# Altium PCB Apalis-Smart-Vision-Baseboard.PcbDoc (part 6 of 6)
Units mm, origin at the board's own origin, x right, y up, seen from the top; angles counter-clockwise.
Board outline 100 x 70 mm, 4 copper layers (Top Layer, Power Plane, Ground Plane, Bottom Layer), stack 1.52 mm thick; 202 components, 197 nets, 1190 pads, 441 vias.
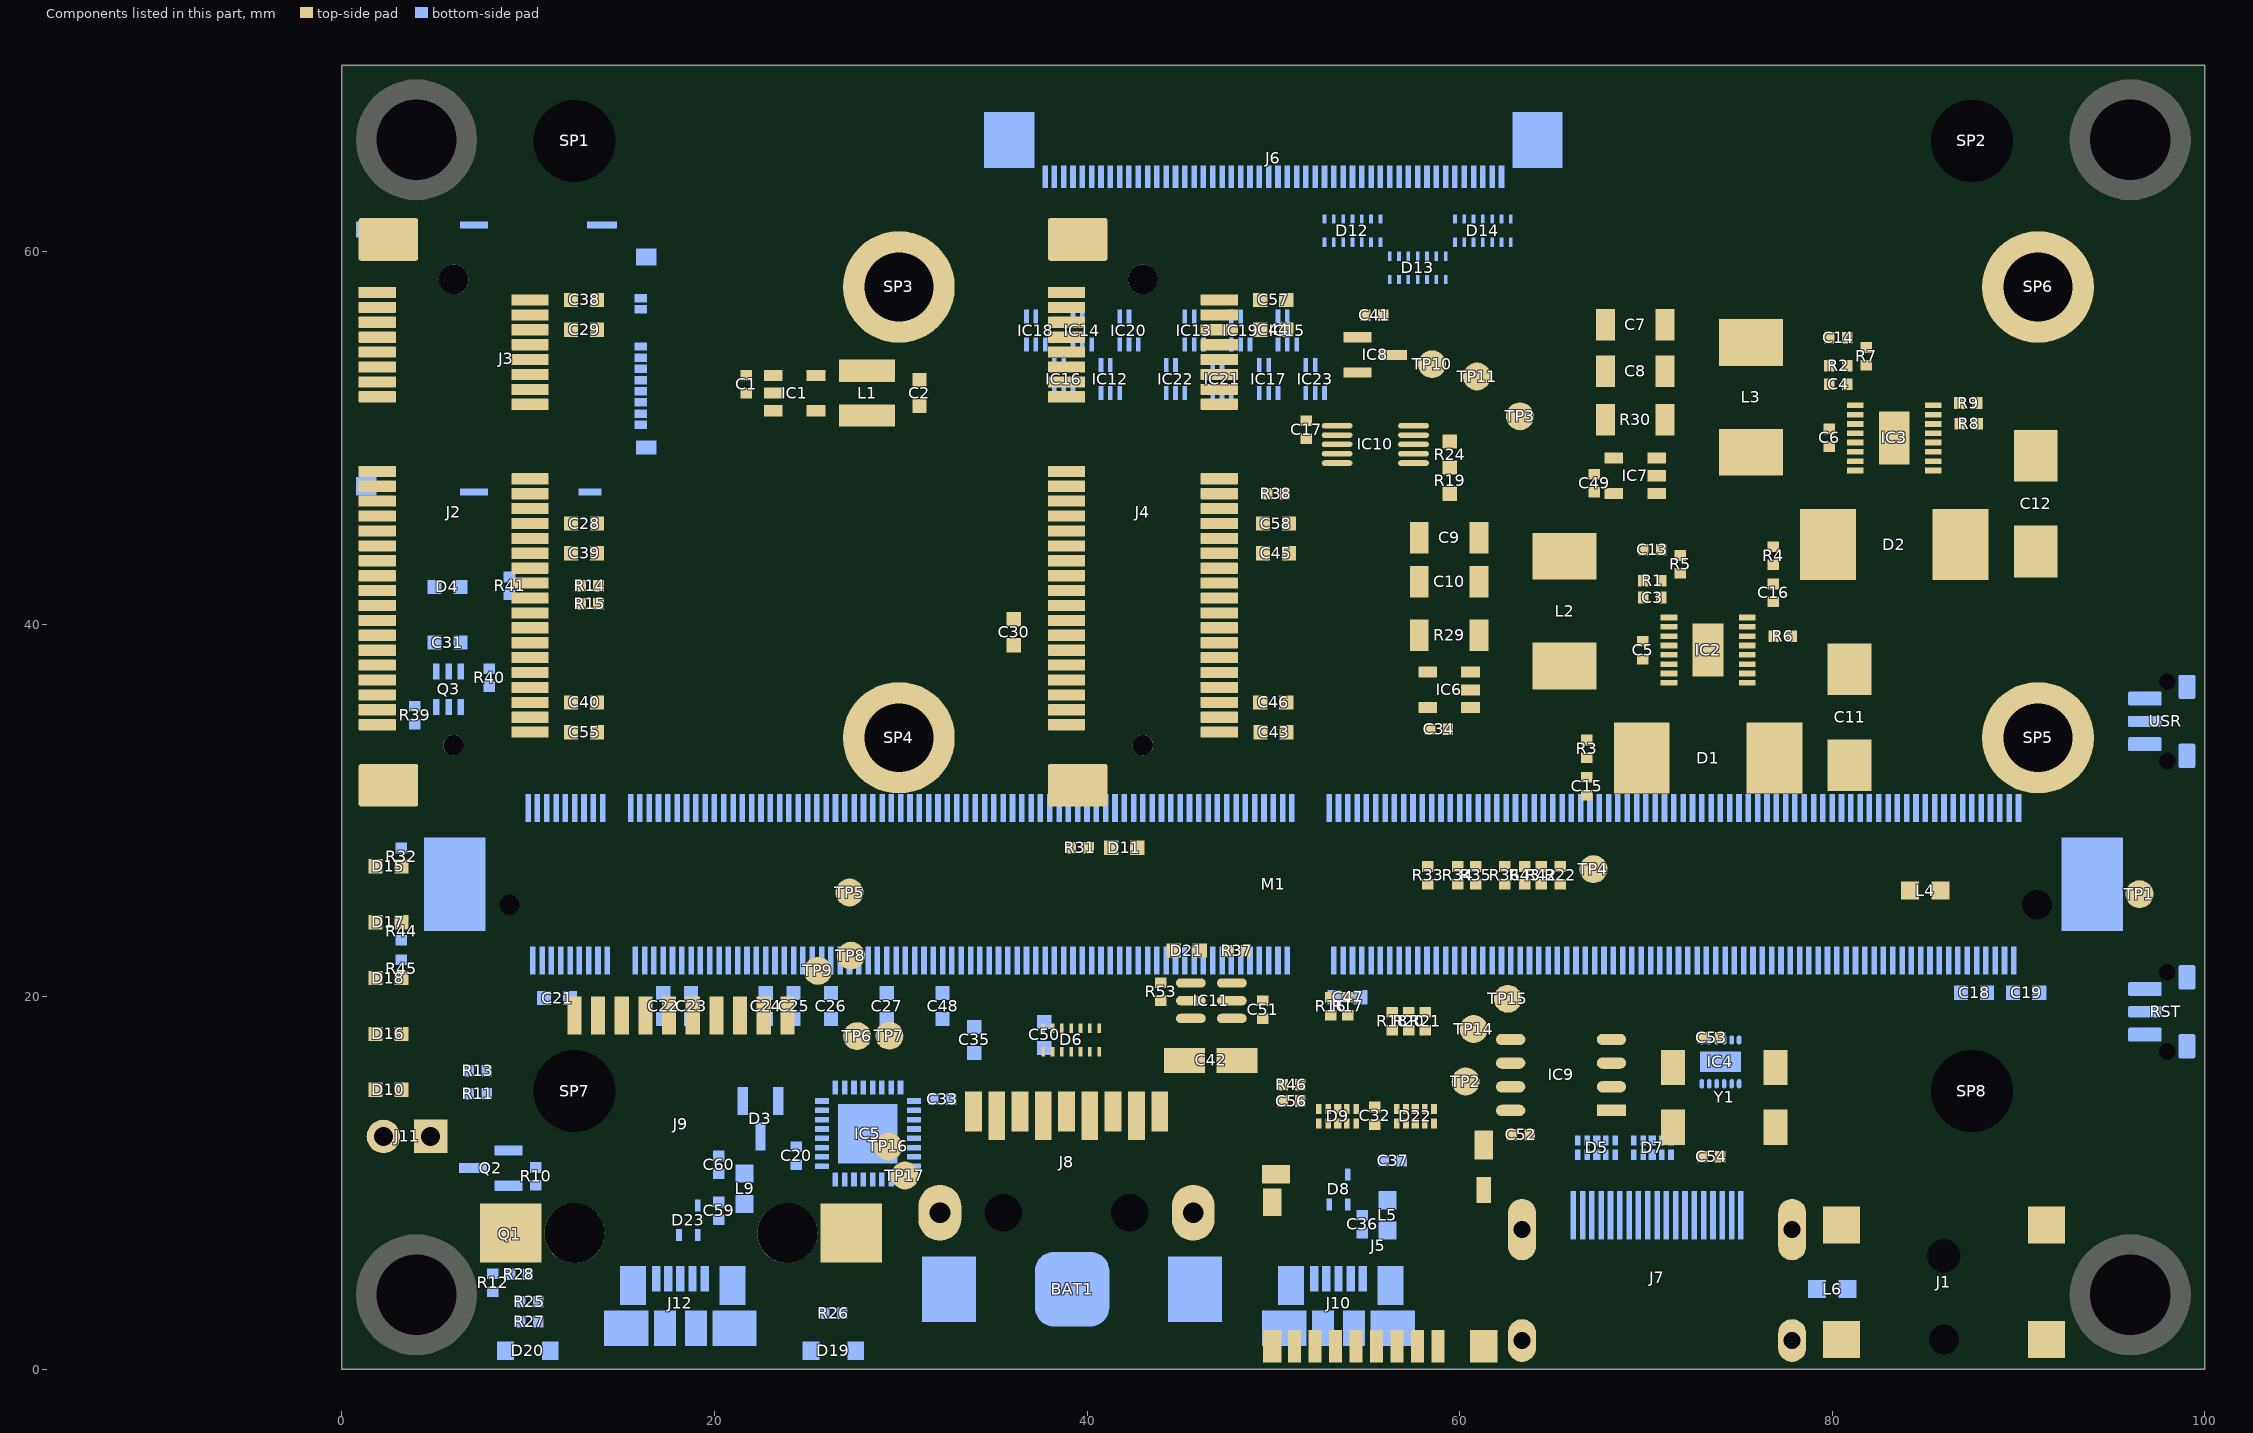
[diagram p8: the components of this part, seen from the top]

## Polygon pours and split planes (outlines as drawn) (continued)
no net on Top Solder "AntmicroLogo" (solid, pour order 56): 205 vertices, not listed, extent 50.65,62.412 62.318,65.493
no net on Top Solder "AntmicroLogo" (solid, pour order 55): 319 vertices, not listed, extent 58.369,60.823 64.153,67.449
no net on Top Solder "AntmicroLogoA" (solid, pour order 59): 34 vertices, not listed, extent 64.878,62.92 66.523,65.314
no net on Top Solder "AntmicroLogoC" (solid, pour order 62): 39 vertices, not listed, extent 74.559,62.92 75.973,65.314
no net on Top Solder "AntmicroLogoI" (solid, pour order 61): 73.832,62.963 74.209,62.963 74.209,65.272 73.832,65.272
no net on Top Solder "AntmicroLogoM" (solid, pour order 60): 113 vertices, not listed, extent 61.063,62.192 73.325,65.318
no net on Top Solder "AntmicroLogoN" (solid, pour order 58): 19 vertices, not listed, extent 67.03,62.963 68.709,65.314
no net on Top Solder "AntmicroLogoO" (solid, pour order 64): 33 vertices, not listed, extent 77.38,62.92 79.204,65.314
no net on Top Solder "AntmicroLogoR" (solid, pour order 63): 76.336,62.963 76.336,65.152 76.681,65.27 77.124,65.314 77.249,65.31 77.326,65.302 77.24,65.019 77.129,65.048 77.005,65.058 76.851,65.044 76.713,64.997 76.713,62.963
no net on Bottom Layer "AntmicroLogoN" (solid, pour order 73): 19 vertices, not listed, extent 95.133,48.987 97.483,50.666
no net on Bottom Layer "AntmicroLogoI" (solid, pour order 79): 95.133,55.789 95.133,56.166 97.441,56.166 97.441,55.789
no net on Bottom Layer "AntmicroLogo" (solid, pour order 69): 205 vertices, not listed, extent -100.48,42.161 97.662,62.792
no net on Bottom Layer "AntmicroLogoA" (solid, pour order 71): 34 vertices, not listed, extent 95.089,46.836 97.483,48.481
no net on Bottom Layer "AntmicroLogoT" (solid, pour order 75): 24 vertices, not listed, extent 95.111,50.919 98.088,51.964
no net on Bottom Layer "AntmicroLogoM" (solid, pour order 77): 113 vertices, not listed, extent -110.516,52.311 97.487,62.196
no net on Bottom Layer "AntmicroLogoC" (solid, pour order 81): 39 vertices, not listed, extent 95.089,56.517 97.483,57.93
no net on Bottom Layer "AntmicroLogoR" (solid, pour order 83): 95.133,58.294 97.321,58.294 97.439,58.638 97.483,59.082 97.479,59.207 97.471,59.283 97.188,59.197 97.217,59.086 97.227,58.962 97.213,58.808 97.167,58.671 95.133,58.671
no net on Bottom Layer "AntmicroLogoO" (solid, pour order 85): 33 vertices, not listed, extent 95.089,59.337 97.483,61.162
no net on Bottom Layer "AntmicroLogo" (solid, pour order 67): 319 vertices, not listed, extent 92.992,40.326 99.618,46.11
no net on Bottom Solder "AntmicroLogoN" (solid, pour order 58): 19 vertices, not listed, extent 95.133,48.987 97.483,50.666
no net on Bottom Solder "AntmicroLogoI" (solid, pour order 61): 95.133,55.789 95.133,56.166 97.441,56.166 97.441,55.789
no net on Bottom Solder "AntmicroLogo" (solid, pour order 56): 205 vertices, not listed, extent -100.48,42.161 97.662,62.792
no net on Bottom Solder "AntmicroLogoA" (solid, pour order 59): 34 vertices, not listed, extent 95.089,46.836 97.483,48.481
no net on Bottom Solder "AntmicroLogoT" (solid, pour order 59): 24 vertices, not listed, extent 95.111,50.919 98.088,51.964
no net on Bottom Solder "AntmicroLogoM" (solid, pour order 60): 113 vertices, not listed, extent -110.516,52.311 97.487,62.196
no net on Bottom Solder "AntmicroLogoC" (solid, pour order 62): 39 vertices, not listed, extent 95.089,56.517 97.483,57.93
no net on Bottom Solder "AntmicroLogoR" (solid, pour order 63): 95.133,58.294 97.321,58.294 97.439,58.638 97.483,59.082 97.479,59.207 97.471,59.283 97.188,59.197 97.217,59.086 97.227,58.962 97.213,58.808 97.167,58.671 95.133,58.671
no net on Bottom Solder "AntmicroLogoO" (solid, pour order 64): 33 vertices, not listed, extent 95.089,59.337 97.483,61.162
no net on Bottom Solder "AntmicroLogo" (solid, pour order 55): 319 vertices, not listed, extent 92.992,40.326 99.618,46.11
+1V5 on Power Plane (split plane): 46 vertices, not listed, extent 11.402,34.472 53.298,57.038
FTDI_3V3 on Power Plane (split plane): 33.778,8.172 24.102,8.172 24.102,15.578 33.778,15.578
+5V0 on Power Plane (split plane): 86 vertices, not listed, extent 7.012,9.492 75.988,63.873
+3V3 on Power Plane (split plane): 99.49,0.51 0.51,0.51 0.51,69.49 99.49,69.49
AGND on Ground Plane (split plane): 91.748,18.652 85.252,18.652 85.252,29.448 91.748,29.448
SHIELD on Ground Plane (split plane): 79.849,0.51 62.151,0.51 62.151,9.849 79.849,9.849
GND on Ground Plane (split plane): 21 vertices, not listed, extent 0.51,0.51 99.49,69.49

## Keep-outs
Keep-Out Layer:
  the board outline again, w0.125

## Other copper
Top Layer:
  rectangle net GND: 82.432,46.268 84.232,53.568
  rectangle net GND: 72.435,34.873 74.235,42.173
  rectangle net +3V3: 55.075,38.55 58.325,40.25
  rectangle net +5V0: 65.072,50.118 68.322,51.818
  pour cut-out: 65.274,63.419 65.238,63.627 65.302,63.889 65.485,64.073 65.778,64.194 66.172,64.265 66.172,63.216 66.095,63.184 66.002,63.16 65.899,63.144 65.791,63.139 65.552,63.171 65.379,63.265
  pour cut-out: 77.82,63.6 77.783,63.762 77.763,63.939 77.756,64.128 77.763,64.316 77.783,64.493 77.82,64.653 77.873,64.794 77.946,64.911 78.038,64.999 78.153,65.055 78.292,65.075 78.43,65.055 78.545,64.999 78.638,64.911 78.711,64.794 78.764,64.653 78.8,64.493 78.821,64.316 78.827,64.128 78.821,63.939 78.8,63.762 78.764,63.6 78.711,63.458 78.638,63.34 78.545,63.25 78.43,63.193 78.292,63.173 78.153,63.193 78.038,63.25 77.946,63.34 77.873,63.458
  pour cut-out: 62.127,64.044 cw(c62.127,64.136) 62.036,64.136 cw(c62.127,64.136) 62.127,64.228 cw(c62.127,64.136) 62.219,64.136 cw(c62.127,64.136) 62.127,64.044 cw(c52.46,63.368)
  pour cut-out: 62.013,64.811 cw(c62.013,64.903) 61.922,64.903 cw(c62.013,64.903) 62.013,64.994 cw(c62.013,64.903) 62.105,64.903 cw(c62.013,64.903) 62.013,64.811 cw(c52.346,64.135)
  pour cut-out: 61.261,65.047 cw(c61.261,65.226) 61.081,65.226 cw(c61.261,65.226) 61.261,65.405 cw(c61.261,65.226) 61.44,65.226 cw(c61.261,65.226) 61.261,65.047 cw(c51.593,64.459)
  pour cut-out: 60.508,64.811 cw(c60.508,64.903) 60.417,64.903 cw(c60.508,64.903) 60.508,64.994 cw(c60.508,64.903) 60.6,64.903 cw(c60.508,64.903) 60.508,64.811 cw(c50.841,64.135)
  pour cut-out: 60.394,64.044 cw(c60.394,64.136) 60.302,64.136 cw(c60.394,64.136) 60.394,64.228 cw(c60.394,64.136) 60.486,64.136 cw(c60.394,64.136) 60.394,64.044 cw(c50.726,63.368)
  pour cut-out: 60.508,63.278 cw(c60.508,63.369) 60.417,63.369 cw(c60.508,63.369) 60.508,63.461 cw(c60.508,63.369) 60.6,63.369 cw(c60.508,63.369) 60.508,63.278 cw(c50.841,62.602)
  pour cut-out: 61.261,62.866 cw(c61.261,63.046) 61.081,63.046 cw(c61.261,63.046) 61.261,63.225 cw(c61.261,63.046) 61.44,63.046 cw(c61.261,63.046) 61.261,62.866 cw(c51.593,62.278)
  pour cut-out: 61.922,63.369 ccw(c62.013,63.369) 62.013,63.278 ccw(c62.013,63.369) 62.105,63.369 ccw(c62.013,63.369) 62.013,63.461 ccw(c62.013,63.369) 61.922,63.369 cw(c52.346,62.602)
  text "Apalis Smart Vision Baseboard" at 64.626,60.593 h2.03
  text "Rev.1.2.1    10/2020" at 64.626,58.593 h2.03
Bottom Layer:
  pour cut-out: 95.588,47.231 95.796,47.196 96.058,47.259 96.242,47.442 96.363,47.736 96.434,48.129 95.385,48.129 95.353,48.052 95.329,47.959 95.314,47.856 95.308,47.748 95.34,47.51 95.435,47.337
  pour cut-out: 95.769,59.777 95.931,59.741 96.109,59.72 96.297,59.714 96.485,59.72 96.662,59.741 96.823,59.777 96.963,59.83 97.08,59.903 97.168,59.996 97.224,60.111 97.244,60.249 97.224,60.388 97.168,60.503 97.08,60.596 96.963,60.668 96.823,60.721 96.662,60.757 96.485,60.778 96.297,60.785 96.109,60.778 95.931,60.757 95.769,60.721 95.627,60.668 95.509,60.596 95.419,60.503 95.362,60.388 95.342,60.249 95.362,60.111 95.419,59.996 95.509,59.903 95.627,59.83
  pour cut-out: 96.214,42.351 ccw(c96.305,42.351) 96.305,42.26 ccw(c96.305,42.351) 96.397,42.351 ccw(c96.305,42.351) 96.305,42.443 ccw(c96.305,42.351) 96.214,42.351 cw(c-100.176,63.368)
  pour cut-out: 96.98,42.465 ccw(c97.072,42.465) 97.072,42.374 ccw(c97.072,42.465) 97.163,42.465 ccw(c97.072,42.465) 97.072,42.557 ccw(c97.072,42.465) 96.98,42.465 cw(c-100.291,64.135)
  pour cut-out: 95.036,43.218 ccw(c95.215,43.218) 95.215,43.039 ccw(c95.215,43.218) 95.394,43.218 ccw(c95.215,43.218) 95.215,43.397 ccw(c95.215,43.218) 95.036,43.218 cw(c-101.043,62.278)
  pour cut-out: 96.98,43.971 ccw(c97.072,43.971) 97.072,43.879 ccw(c97.072,43.971) 97.163,43.971 ccw(c97.072,43.971) 97.072,44.062 ccw(c97.072,43.971) 96.98,43.971 cw(c-101.796,64.135)
  pour cut-out: 96.214,44.085 ccw(c96.305,44.085) 96.305,43.993 ccw(c96.305,44.085) 96.397,44.085 ccw(c96.305,44.085) 96.305,44.176 ccw(c96.305,44.085) 96.214,44.085 cw(c-101.91,63.368)
  pour cut-out: 95.447,42.465 ccw(c95.539,42.465) 95.539,42.374 ccw(c95.539,42.465) 95.63,42.465 ccw(c95.539,42.465) 95.539,42.557 ccw(c95.539,42.465) 95.447,42.465 cw(c-100.291,62.602)
  pour cut-out: 95.539,43.879 cw(c95.539,43.971) 95.447,43.971 cw(c95.539,43.971) 95.539,44.062 cw(c95.539,43.971) 95.63,43.971 cw(c95.539,43.971) 95.539,43.879 cw(c-101.796,62.602)
  pour cut-out: 97.216,43.218 ccw(c97.395,43.218) 97.395,43.039 ccw(c97.395,43.218) 97.575,43.218 ccw(c97.395,43.218) 97.395,43.397 ccw(c97.395,43.218) 97.216,43.218 cw(c-101.043,64.459)
Ground Plane (plane layer: these items are gaps in the copper):
  lines w0.3: -13.667,30.625 -13.667,30.681 ; 62,0 62,10 80,10 80,0
  lines w0.5: 85,18.4 85,29.7 92,29.7 92,18.4 85,18.4
Power Plane (plane layer: these items are gaps in the copper):
  lines w0.2: 13.9,9.39 14.71,9.39 15.09,9.77 ; 14.4,9.39 6.91,9.39 6.91,11.02 14.63,11.02 21.08,17.47 21.08,17.48 36.61,17.48 39.44,20.31 47.29,20.31 48.43,21.45 68.37,21.45 68.37,25.73 68.37,33.58 57.24,33.58 57.24,35.675 67.375,35.675 68.2,36.5 68.2,44.2 61.2,51.2 61.2,63.975 64.7,63.975 64.7,54.62 71.98,47.34 71.98,37.966 71.98,26.879 71.98,26.184 76.09,22.074 76.09,18.75 75.34,18 71.96,18 ; 14.72,9.41 18.13,12.82 18.56,13.25 23.98,13.25 ; 33.88,15.68 33.88,8.07 24,8.07 24,15.68 38.22,15.68 40.85,18.31 51.87,18.31 52.54,18.98 55.32,18.98 56,18.3 71.66,18.3 71.96,18 ; 71.65,18.31 71.96,18 ; 11.3,47.085 11.3,55.8 11.3,56.08 17.72,56.08 20.4,53.4 28.85,53.4 32.59,57.14 53.4,57.14 53.4,54.141 48.96,54.141 48.96,43.32 52.1,43.32 52.1,35.4 41.45,35.4 38.61,38.24 29.1,38.24 25.23,34.37 11.5,34.37 11.5,44.5 12.9,44.5 12.9,47.085 11.3,47.085

## Silkscreen, mask and mechanical layers (free items; w line width, h text height)
Top Overlay:
  circle w0.254: c94.498,13.22 r0.284
  circle w0.254: c94.498,13.22 r1.171
  lines w0.2: 6.01,16.83 7.67,16.83 7.79,16.83 7.79,25.31 6.01,25.31 7.65,25.31 ; 10.26,0.5 10.26,5.4 ; 26.14,0.5 26.14,5.4 ; 32.35,0.5 32.35,6.4 ; 45.449,0.5 45.449,6.4 ; 69.45,40.8 71.4,40.8 ; 71.4,42.125 71.4,40.8 ; 73.49,45.79 73,45.79 73,42.9 ; 73.6,42.9 73,42.9 ; 79.2,47.98 79.83,47.98 79.83,48.66 ; 79.425,52.275 81.375,52.275 81.375,53.3 ; 81.475,52.375 81.675,52.575 82.975,53.875 82.975,54.375 ; 83.53,57.19 82.975,57.19 82.975,54.375 ; 83.575,54.375 82.975,54.375 ; 71.4,40.8 71.5,40.9 71.7,41.1 73,42.4 73,42.9
  lines w0.254: 92.085,13.22 94.117,13.22
  text "SATA" at 14.884,61.189 h1.1
  text "Mini PCIe" at 50.114,61.189 h1.1
  text "0x90" at 60.65,48.99 h1.02
  text "0x91" at 60.65,46.99 h1.02
  text "WLAN" at 44,27.5 h1.1
  text "mSATA" at 4.6,26.4 h1.1
  text "TX" at 4.34,23.51 h1.1
  text "USB_OC" at 37.1,22.1 h1.1
  text "ETHERNET" at 13.843,21.285 h1.1
  text "RX" at 4.5,20.424 h1.1
  text "Debug" at 9.58,18.71 h1.1 r90
  text "USB" at 4.37,17.48 h1.1
  text "PEN" at 4.6,14.5 h1.1
  text "+" at 91.831,13.737 h0.76
  text "9...24VDC" at 91.221,10.257 h1.02
  text "Micro SD" at 48.489,2.134 h1.1 r90
  text "USB HOST" at 30.45,0.813 h1.1 r90
Bottom Overlay:
  lines w0.2: 11,10.8 13.5,10.8
  text "Camera Interface" at 50.475,61.65 h1.02
  text "Micro SIM" at 18.313,48.158 h1.1 r270
  text "PEN" at 7.033,43.7 h1.1
  text "FAN" at 5.207,17.653 h1.1
  text "HDMI" at 78.308,10.439 h1.1
  text "-" at 2.12,7.8 h1.02
  text "+" at 4.23,7.79 h1.02
  text "OTG" at 23.19,2.159 h1.1 r270
  text "DEBUG" at 58.598,1.016 h1.1 r270
Top Solder:
  pour cut-out: 65.274,63.419 65.238,63.627 65.302,63.889 65.485,64.073 65.778,64.194 66.172,64.265 66.172,63.216 66.095,63.184 66.002,63.16 65.899,63.144 65.791,63.139 65.552,63.171 65.379,63.265
  pour cut-out: 77.82,63.6 77.783,63.762 77.763,63.939 77.756,64.128 77.763,64.316 77.783,64.493 77.82,64.653 77.873,64.794 77.946,64.911 78.038,64.999 78.153,65.055 78.292,65.075 78.43,65.055 78.545,64.999 78.638,64.911 78.711,64.794 78.764,64.653 78.8,64.493 78.821,64.316 78.827,64.128 78.821,63.939 78.8,63.762 78.764,63.6 78.711,63.458 78.638,63.34 78.545,63.25 78.43,63.193 78.292,63.173 78.153,63.193 78.038,63.25 77.946,63.34 77.873,63.458
  pour cut-out: 62.127,64.044 cw(c62.127,64.136) 62.036,64.136 cw(c62.127,64.136) 62.127,64.228 cw(c62.127,64.136) 62.219,64.136 cw(c62.127,64.136) 62.127,64.044 cw(c52.46,63.368)
  pour cut-out: 62.013,64.811 cw(c62.013,64.903) 61.922,64.903 cw(c62.013,64.903) 62.013,64.994 cw(c62.013,64.903) 62.105,64.903 cw(c62.013,64.903) 62.013,64.811 cw(c52.346,64.135)
  pour cut-out: 61.261,65.047 cw(c61.261,65.226) 61.081,65.226 cw(c61.261,65.226) 61.261,65.405 cw(c61.261,65.226) 61.44,65.226 cw(c61.261,65.226) 61.261,65.047 cw(c51.593,64.459)
  pour cut-out: 60.508,64.811 cw(c60.508,64.903) 60.417,64.903 cw(c60.508,64.903) 60.508,64.994 cw(c60.508,64.903) 60.6,64.903 cw(c60.508,64.903) 60.508,64.811 cw(c50.841,64.135)
  pour cut-out: 60.394,64.044 cw(c60.394,64.136) 60.302,64.136 cw(c60.394,64.136) 60.394,64.228 cw(c60.394,64.136) 60.486,64.136 cw(c60.394,64.136) 60.394,64.044 cw(c50.726,63.368)
  pour cut-out: 60.508,63.278 cw(c60.508,63.369) 60.417,63.369 cw(c60.508,63.369) 60.508,63.461 cw(c60.508,63.369) 60.6,63.369 cw(c60.508,63.369) 60.508,63.278 cw(c50.841,62.602)
  pour cut-out: 61.261,62.866 cw(c61.261,63.046) 61.081,63.046 cw(c61.261,63.046) 61.261,63.225 cw(c61.261,63.046) 61.44,63.046 cw(c61.261,63.046) 61.261,62.866 cw(c51.593,62.278)
  pour cut-out: 61.922,63.369 ccw(c62.013,63.369) 62.013,63.278 ccw(c62.013,63.369) 62.105,63.369 ccw(c62.013,63.369) 62.013,63.461 ccw(c62.013,63.369) 61.922,63.369 cw(c52.346,62.602)
  text "Apalis Smart Vision Baseboard" at 64.626,60.593 h2.03
  text "Rev.1.2.1    10/2020" at 64.626,58.593 h2.03
Bottom Solder:
  drawing of 3327 lines, arcs and shapes, not listed
PCB Outline:
  the board outline again, w0.1
PCB Fab Notes:
  drawing of 347 lines, arcs and shapes, not listed
  text "Layer" at 113.309,34.9 h1.52
  text "Name" at 123.721,34.9 h1.52
  text "Material" at 147.337,34.9 h1.52
  text "Thickness" at 169.175,34.9 h1.52
  text "Constant" at 185.681,34.9 h1.52
  text "Board Layer Stack" at 200.155,34.9 h1.52
  text "1" at 113.309,31.852 h1.52
  text "Top Paste" at 123.721,31.852 h1.52
  text "2" at 113.309,28.804 h1.52
  text "Top Overlay" at 123.721,28.804 h1.52
  text "3" at 113.309,25.756 h1.52
  text "Top Solder" at 123.721,25.756 h1.52
  text "Solder Resist" at 147.337,25.756 h1.52
  text "0.020mm" at 169.175,25.756 h1.52
  text "3.5" at 185.681,25.756 h1.52
  text "4" at 113.309,22.708 h1.52
  text "Top Layer" at 123.721,22.708 h1.52
  text "Copper" at 147.337,22.708 h1.52
  text "0.035mm" at 169.175,22.708 h1.52
  text "5" at 113.309,19.66 h1.52
  text "Dielectric 1" at 123.721,19.66 h1.52
  text "7628MR" at 147.337,19.66 h1.52
  text "0.140mm" at 169.175,19.66 h1.52
  text "4.6" at 185.681,19.66 h1.52
  text "6" at 113.309,16.612 h1.52
  text "Power Plane" at 123.721,16.612 h1.52
  text "Copper" at 147.337,16.612 h1.52
  text "0.035mm" at 169.175,16.612 h1.52
  text "7" at 113.309,13.564 h1.52
  text "Dielectric 4" at 123.721,13.564 h1.52
  text "FR-4" at 147.337,13.564 h1.52
  text "1.100mm" at 169.175,13.564 h1.52
  text "4.3" at 185.681,13.564 h1.52
  text "8" at 113.309,10.516 h1.52
  text "Ground Plane" at 123.721,10.516 h1.52
  text "Copper" at 147.337,10.516 h1.52
  text "0.035mm" at 169.175,10.516 h1.52
  text "9" at 113.309,7.468 h1.52
  text "Dielectric 3" at 123.721,7.468 h1.52
  text "7628MR" at 147.337,7.468 h1.52
  text "0.140mm" at 169.175,7.468 h1.52
  text "4.6" at 185.681,7.468 h1.52
  text "10" at 113.309,4.42 h1.52
  text "Bottom Layer" at 123.721,4.42 h1.52
  text "Copper" at 147.337,4.42 h1.52
  text "0.035mm" at 169.175,4.42 h1.52
  text "11" at 113.309,1.372 h1.52
  text "Bottom Solder" at 123.721,1.372 h1.52
  text "Solder Resist" at 147.337,1.372 h1.52
  text "0.020mm" at 169.175,1.372 h1.52
  text "3.5" at 185.681,1.372 h1.52
  text "12" at 113.309,-1.676 h1.52
  text "Bottom Overlay" at 123.721,-1.676 h1.52
  text "13" at 113.309,-4.724 h1.52
  text "Bottom Paste" at 123.721,-4.724 h1.52
PCB Asm Notes:
  lines w0.1: -15.85,-3.4 100.725,-3.4
  text "Panel front side" at -15.75,-4.5 h0.76
PCB Usr Notes:
  circle w0.1: c4,4 r3.5

## Dimensions
0,0 to 18.2,7.85 on Top Dimension
0,0 to 86,1.6 on Top Dimension
0,70 to 96,66 on Top Dimension
0,0 to 96,4 on Top Dimension
100,0 to 96,66 on Top Dimension
0,0 to 4,66 on Top Dimension
0,0 to 0,70 on Top Dimension
0,0 to 100,0 on Top Dimension

## Text inside footprints (layer, text, board x,y; h text height)
BAT1: Bottom Cmp Notes "Battery insert" at 32.7,-1.7 h1 r180
J2: Top Cmp Notes "Full Card Size" at 55.775,51.25 h0.76 r270; Top Cmp Notes "Half Card Size" at 31.15,50.55 h0.76 r270
J4: Top Cmp Notes "Full Card Size" at 92.775,51.25 h0.76 r270; Top Cmp Notes "Half Card Size" at 68.15,50.55 h0.76 r270
J5: Top Courtyard "Micro SD Card" at 51.15,-1.975 h0.7
J6: Bottom Overlay "50" at 65.67,61.82 h0.9; Bottom Overlay "1" at 34.62,61.668 h0.9
J7: Bottom Cmp Notes "Panel wall (front face)" at 78.45,-4.3 h0.76; Bottom Cmp Notes "PCB Edge" at 73.35,-1.3 h0.76